# Altium PCB BerndoKeyboard-Switchboard.PcbDoc (part 2 of 3)
Units mm, origin at the board's own origin, x right, y up, seen from the top; angles counter-clockwise.
Board outline 470 x 135 mm, 2 copper layers (Top Layer, Bottom Layer), stack 1.581 mm thick; 355 components, 212 nets, 1814 pads, 203 vias.
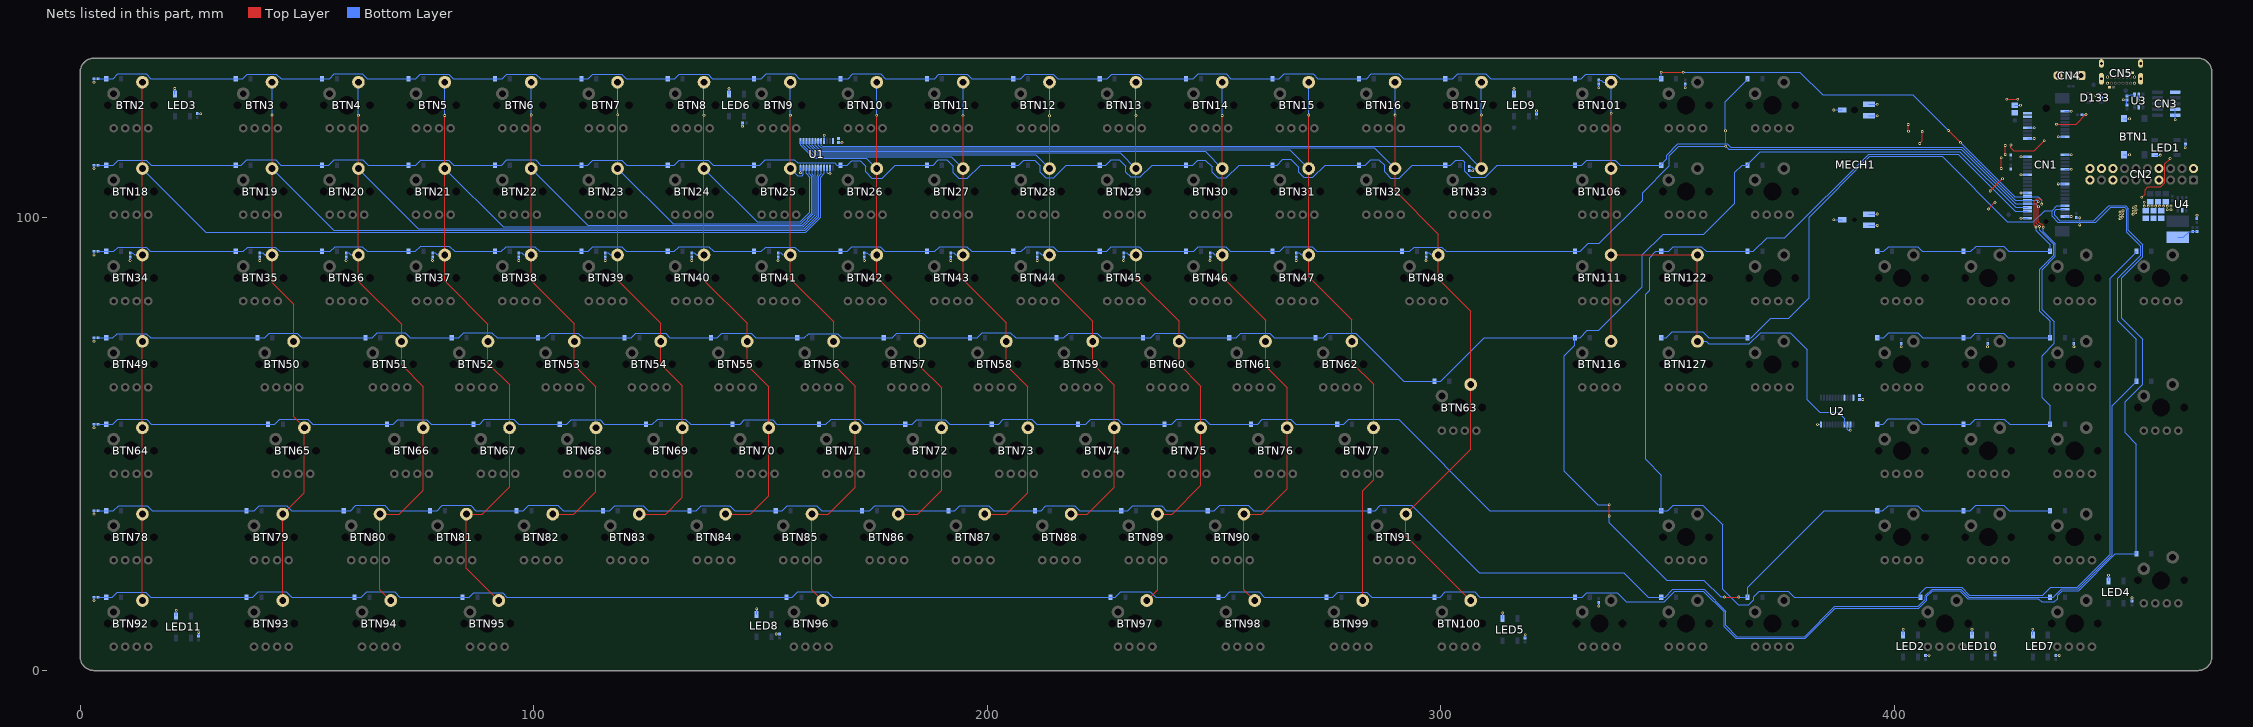
[diagram p2: the nets of this part, all layers, seen from the top]

## Part data
BTN1: "BTN TACT SPST-NO 12V 50mA SMD BLACK", Color=Black, Current Rating=50mA, Internal Part Number=BTN000006, Manufacturer="ITT C&K", Max Operating Temperature=60°C, Max Voltage Rating (DC)=12V, Min Operating Temperature=-20°C, Operating Force=1.27N, Package Quantity=1000, Supplier Part Number 1=CKN9088CT-ND, Actuator Material=Nylon,Polyamide, Actuator Type=Standard, ComponentLink1Description=https://datasheet.ciiva.com/26927/getdatasheetpartid-760859-26927133.pdf?src-supplier=Verical, ComponentLink1URL=https://datasheet.ciiva.com/26927/getdatasheetpartid-760859-26927133.pdf?src-supplier=Verical, ComponentLink2Description=https://datasheet.ciiva.com/14920/pts645-14920742.pdf?src-supplier=Digi-Key, ComponentLink2URL=https://datasheet.ciiva.com/14920/pts645-14920742.pdf?src-supplier=Digi-Key, ComponentLink3Description=https://datasheet.ciiva.com/14920/pts645-14920743.pdf?src-supplier=Digi-Key, ComponentLink3URL=https://datasheet.ciiva.com/14920/pts645-14920743.pdf?src-supplier=Digi-Key, ComponentLink4Description=https://datasheet.ciiva.com/14920/pts645-14920744.pdf?src-supplier=Digi-Key, ComponentLink4URL=https://datasheet.ciiva.com/14920/pts645-14920744.pdf?src-supplier=Digi-Key, ComponentLink5Description=https://datasheet.ciiva.com/46429/1839862-46429337.pdf?src-supplier=Element14, ComponentLink5URL=https://datasheet.ciiva.com/46429/1839862-46429337.pdf?src-supplier=Element14, ComponentLink6Description=https://datasheet.ciiva.com/46429/1839862-46429338.pdf?src-supplier=Element14, ComponentLink6URL=https://datasheet.ciiva.com/46429/1839862-46429338.pdf?src-supplier=Element14, Contact Material=Bronze, Contact Plating=Silver, Depth=9mm, Illumination Type=Non-Illuminated, Lead Free="Lead Free", Length=6mm, Manufacturer Part Number=PTS645SL50SMTR92LFS, Max Current Rating=50mA, Mechanical Life=100000Cycles, Mount="Surface Mount", Orientation=Straight, Packaging="Tape and Reel", Pricing 1="1 = 0,31000, 10 = 0,30000, 25 = 0,29000, 50 = 0,27960, 100 = 0,26410, 250 = 0,24860, 500 = 0,23822 (USD)", REACH SVHC="No SVHC", RoHS=Yes, Stock 1=127172, Supplier 1=Digi-Key, Switch Function=Off-Mom, Termination="Gull Wing", Throw Configuration=SPST, Voltage Rating (DC)=12V
BTN2 BTN3 BTN4 BTN5 BTN6 BTN7 BTN8 BTN9 BTN10 BTN11 BTN12 BTN13 BTN14 BTN15 BTN16 BTN17 BTN18 BTN19 BTN20 BTN21 BTN22 BTN23 BTN24 BTN25 BTN26 BTN27 BTN28 BTN29 BTN30 BTN31 BTN32 BTN33 BTN34 BTN35 BTN36 BTN37 BTN38 BTN39 BTN40 BTN41 BTN42 BTN43 BTN44 BTN45 BTN46 BTN47 BTN48 BTN49 BTN50 BTN51 BTN52 BTN53 BTN54 BTN55 BTN56 BTN57 BTN58 BTN59 BTN60 BTN61 BTN62 BTN63 BTN64 BTN65 BTN66 BTN67 BTN68 BTN69 BTN70 BTN71 BTN72 BTN73 BTN74 BTN75 BTN76 BTN77 BTN78 BTN79 BTN80 BTN81 BTN82 BTN83 BTN84 BTN85 BTN86 BTN87 BTN88 BTN89 BTN90 BTN91 BTN92 BTN93 BTN94 BTN95 BTN96 BTN97 BTN98 BTN99 BTN100 BTN101 BTN102 BTN103 BTN104 BTN105 BTN106 BTN107 BTN108 BTN109 BTN110 BTN111 BTN112 BTN113 BTN114 BTN115 BTN116 BTN117 BTN118 BTN119 BTN120 BTN121 BTN122 BTN123 BTN124 BTN125 BTN126 BTN127 BTN128 BTN129 BTN130 BTN131 BTN132 BTN133: "BTN CHERRY MX BLUE SPST-NO 12V 10mA", Contact Current Rating=10mA, Contact Resistance=200mR, Flammability Rating="UL94 HB", Internal Part Number=BTN000004, Manufacturer=Cherry, Max Operating Temperature=70°C, Max Voltage Rating (AC)=12V, Min Operating Temperature=-10°C, Operating Force=0.5N, Package Quantity=1000, Supplier Part Number 1=CH197-ND, Actuator Length=3.6mm, ComponentLink1Description=https://datasheet.ciiva.com/2869/mx20series-2869568.pdf?src-supplier=Digi-Key, ComponentLink1URL=https://datasheet.ciiva.com/2869/mx20series-2869568.pdf?src-supplier=Digi-Key, ComponentLink2Description=https://datasheet.ciiva.com/5259/mx-cat-216303-5259204.pdf?src-supplier=Mouser, ComponentLink2URL=https://datasheet.ciiva.com/5259/mx-cat-216303-5259204.pdf?src-supplier=Mouser, Contact Material=Gold,Silver, Contact Plating=Gold, Current Rating=10mA, Electrical Life=20000000Cycles, Housing Material=Thermoplastic, Lead Free="Lead Free", Length=15.6mm, Manufacturer Part Number=MX1A-E1NW, Max Current Rating=10mA, Max Voltage Rating (DC)=12V, Mechanical Life=20000000Cycles, Mount="Through Hole", Number of Terminals=2, Orientation=Straight, Packaging=Bulk, Pricing 1="1 = 0,90000, 10 = 0,84000, 25 = 0,80000, 50 = 0,76000, 100 = 0,74000, 250 = 0,72000, 500 = 0,68000, 1000 = 0,64000, 5000 = 0,54000 (USD)", RoHS=Yes, Row Spacing=2.54mm, Stock 1=3965, Supplier 1=Digi-Key, Switch Function=Off-Mom, Terminal Pitch=6.35mm, Termination="PC Pin", Throw Configuration=SPST, Voltage Rating (AC)=12V, Voltage Rating (DC)=12V, Width=15.6mm
  BTN2: Key Function=M1
  BTN3: Key Function=ESC
  BTN4: Key Function=F1
  BTN5: Key Function=F2
  BTN6: Key Function=F3
  BTN7: Key Function=F4
  BTN8: Key Function=F5
  BTN9: Key Function=F6
  BTN10: Key Function=F7
  BTN11: Key Function=F8
  BTN12: Key Function=F9
  BTN13: Key Function=F10
  BTN14: Key Function=F11
  BTN15: Key Function=F12
  BTN16: Key Function=F13
  BTN17: Key Function=F14
  BTN18: Key Function=M2
  BTN20: Key Function="\""
  BTN21: Key Function=EQLS
  BTN22: Key Function=!
  BTN23: Key Function=|
  BTN24: Key Function=&
  BTN25: Key Function=[
  BTN26: Key Function={
  BTN27: Key Function=(
  BTN28: Key Function=)
  BTN29: Key Function=}
  BTN30: Key Function=]
  BTN31: Key Function=?
  BTN32: Key Function=<
  BTN33: Key Function=>
  BTN34: Key Function=M3
  BTN35: Key Function=°
  BTN36: Key Function=1
  BTN37: Key Function=2
  BTN38: Key Function=3
  BTN39: Key Function=4
  BTN40: Key Function=5
  BTN41: Key Function=6
  BTN42: Key Function=7
  BTN43: Key Function=8
  BTN44: Key Function=9
  BTN45: Key Function=0
  BTN46: Key Function=ß
  BTN47: Key Function=´`
  BTN48: Key Function=BCKSP
  BTN49: Key Function=M4
  BTN50: Key Function=TAB
  BTN51: Key Function=Q
  BTN52: Key Function=W
  BTN53: Key Function=E
  BTN54: Key Function=R
  BTN55: Key Function=T
  BTN56: Key Function=Z
  BTN57: Key Function=U
  BTN58: Key Function=I
  BTN59: Key Function=O
  BTN60: Key Function=P
  BTN61: Key Function=Ü
  BTN62: Key Function=+
  BTN63: Key Function=ENTER
  BTN64: Key Function=M5
  BTN65: Key Function=CAPS
  BTN66: Key Function=A
  BTN67: Key Function=S
  BTN68: Key Function=D
  BTN69: Key Function=F
  BTN70: Key Function=G
  BTN71: Key Function=H
  BTN72: Key Function=J
  BTN73: Key Function=K
  BTN74: Key Function=L
  BTN75: Key Function=Ö
  BTN76: Key Function=Ä
  BTN77: Key Function=#
  BTN78: Key Function=M6
  BTN79: Key Function=LSHFT
  BTN80: Key Function=<>|
  BTN81: Key Function=Y
  BTN82: Key Function=X
  BTN83: Key Function=C
  BTN84: Key Function=V
  BTN85: Key Function=B
  BTN86: Key Function=N
  BTN87: Key Function=M
  BTN88: Key Function=,
  BTN89: Key Function=.
  BTN90: Key Function=-
  BTN91: Key Function=RSHFT
  BTN92: Key Function=M7
  BTN93: Key Function=LCTRL
  BTN94: Key Function=LWIN
  BTN95: Key Function=ALT
  BTN96: Key Function=SPACE
  BTN97: Key Function=ALTGR
  BTN98: Key Function=RWIN
  BTN99: Key Function=FN
  BTN100: Key Function=RCTRL
  BTN101: Key Function=PRNTS
  BTN102: Key Function=SCRL
  BTN103: Key Function=NUML
  BTN104: Key Function=NUMDV
  BTN105: Key Function=NUMMP
  BTN106: Key Function=UNDO
  BTN107: Key Function=VOLUP
  BTN108: Key Function=NUM7
  BTN109: Key Function=NUM8
  BTN110: Key Function=NUM9
  BTN111: Key Function=INS
  BTN112: Key Function=PAUSE
  BTN113: Key Function=NUM4
  BTN114: Key Function=NUM5
  BTN115: Key Function=NUM6
  BTN116: Key Function=DEL
  BTN117: Key Function=VOLDN
  BTN118: Key Function=ARR-R
  BTN119: Key Function=NUM1
  BTN120: Key Function=NUM2
  BTN121: Key Function=NUM3
  BTN122: Key Function=HOME
  BTN123: Key Function=PGUP
  BTN124: Key Function=ARR-U
  BTN125: Key Function=NUM0
  BTN126: Key Function=NUMSU
  BTN127: Key Function=END
  BTN128: Key Function=PGDN
  BTN129: Key Function=ARR-D
  BTN130: Key Function=NUMDL
  BTN131: Key Function=NUMAD
  BTN132: Key Function=ARR-L
  BTN133: Key Function=NUMEN
C1 C17 C18 C19 C21 C22 C23: library part CL21A106KPFNNNG, "CAP CER 10U 10V X5R 10% SMD 0805 85C SAMSUNG", Capacitance=10uF, Case/Package=0805, Case Code (Metric)=2012, Dielectric=X5R, Internal Part Number=CCER000039, Manufacturer 1=Samsung, Max Operating Temperature=85°C, Min Operating Temperature=-55°C, Package Quantity=3000, Supplier Part Number 1=1276-6456-1-ND, Tolerance=10%, Voltage=10V, Case Code (Imperial)=0805, ComponentLink1Description=https://datasheet.ciiva.com/16428/cl21a106kpfnnng-16428896.pdf?src-supplier=Future+Electronics, ComponentLink1URL=https://datasheet.ciiva.com/16428/cl21a106kpfnnng-16428896.pdf?src-supplier=Future+Electronics, ComponentLink2Description=https://datasheet.ciiva.com/26936/getdatasheetpartid-640497-26936900.pdf?src-supplier=Verical, ComponentLink2URL=https://datasheet.ciiva.com/26936/getdatasheetpartid-640497-26936900.pdf?src-supplier=Verical, Depth=1.25mm, Height=1.25mm, Lead Free="Lead Free", Length=2mm, Manufacturer Part Number 1=CL21A106KPFNNNG, Mount="Surface Mount", Packaging="Tape and Reel", Pricing 1="1=0,14000, 10=0,10000, 100=0,04690, 500=0,03290, 1000=0,02724 (USD)", Radiation Hardening=No, RoHS=Yes, Stock 1=884042, Supplier 1=Digi-Key, Termination=Wraparound, Thickness=0.053inch, Voltage Rating=10V, Width=0.049inch
C2 C3 C4 C5 C6 C7 C8 C9 C10 C11 C12 C13 C14 C15 C16: library part CL05B104KO5NNNC, "CAP CER 100N 16V X7R 10% SMD 0402 125C SAMSUNG", Capacitance=100nF, Case/Package=0402, Case Code (Metric)=1005, Dielectric=X7R, Internal Part Number=CCER000002, Manufacturer 1=Samsung, Max Operating Temperature=125°C, Min Operating Temperature=-55°C, Package Quantity=1, Supplier Part Number 1=1276-1001-6-ND, Tolerance=10%, Voltage=16V, Case Code (Imperial)=0402, ComponentLink1Description=https://datasheet.ciiva.com/26920/getdatasheetpartid-359683-26920169.pdf?src-supplier=Verical, ComponentLink1URL=https://datasheet.ciiva.com/26920/getdatasheetpartid-359683-26920169.pdf?src-supplier=Verical, ComponentLink2Description=https://datasheet.ciiva.com/29198/458718-da-01-en-vs-kondensator-0402-29198423.pdf?src-supplier=Conrad, ComponentLink2URL=https://datasheet.ciiva.com/29198/458718-da-01-en-vs-kondensator-0402-29198423.pdf?src-supplier=Conrad, ComponentLink3Description=https://datasheet.ciiva.com/16208/cl05b104kq5nnnc-16208343.pdf?src-supplier=Future+Electronics, ComponentLink3URL=https://datasheet.ciiva.com/16208/cl05b104kq5nnnc-16208343.pdf?src-supplier=Future+Electronics, ComponentLink4Description=https://datasheet.ciiva.com/26309/mlcc-catalogdownload2013-eng-26309003.pdf?src-supplier=Distrelec, ComponentLink4URL=https://datasheet.ciiva.com/26309/mlcc-catalogdownload2013-eng-26309003.pdf?src-supplier=Distrelec, Contact Plating=Tin, Depth=0.5mm, Height=0.5mm, Lead Free="Lead Free", Length=1mm, Manufacturer Part Number 1=CL05B104KO5NNNC, Material=Ceramic, Mount="Surface Mount", Packaging="Tape and Reel", Pricing 1="1=0,10000, 10=0,02400, 100=0,01070, 500=0,00766, 1000=0,00602, 2500=0,00548, 5000=0,00504 (USD)", Radiation Hardening=No, RoHS=Yes, Stock 1=53930414, Supplier 1=Digi-Key, Thickness=0.022inch, Voltage Rating=16V, Voltage Rating (DC)=16V, Width=0.02inch
C20: library part CL05C220JB5NNNC, "CAP CER 22P 50V C0G 5% SMD 0402 125C SAMSUNG", Capacitance=22pF, Case/Package=0402, Case Code (Metric)=1005, Dielectric=C0G, Internal Part Number=CCER000013, Manufacturer=Samsung, Max Operating Temperature=125°C, Min Operating Temperature=-55°C, Package Quantity=1, Supplier Part Number 1=1276-1116-1-ND, Temperature Coefficient=300ppm/°C, Tolerance=5%, Voltage=50V, Case Code (Imperial)=0402, ComponentLink1Description=https://datasheet.ciiva.com/15195/getdatasheetpartid-358448-15195679.pdf?src-supplier=Verical, ComponentLink1URL=https://datasheet.ciiva.com/15195/getdatasheetpartid-358448-15195679.pdf?src-supplier=Verical, ComponentLink2Description=https://datasheet.ciiva.com/29198/458663-da-01-en-vs-kondensator-0402-29198414.pdf?src-supplier=Conrad, ComponentLink2URL=https://datasheet.ciiva.com/29198/458663-da-01-en-vs-kondensator-0402-29198414.pdf?src-supplier=Conrad, ComponentLink3Description=https://datasheet.ciiva.com/16199/cl05b104kq5nnnc-16199080.pdf?src-supplier=Future+Electronics, ComponentLink3URL=https://datasheet.ciiva.com/16199/cl05b104kq5nnnc-16199080.pdf?src-supplier=Future+Electronics, ComponentLink4Description=https://datasheet.ciiva.com/26309/mlcc-catalogdownload2013-eng-26309032.pdf?src-supplier=Distrelec, ComponentLink4URL=https://datasheet.ciiva.com/26309/mlcc-catalogdownload2013-eng-26309032.pdf?src-supplier=Distrelec, Contact Plating=Tin, Depth=0.5mm, Height=0.5mm, Length=1mm, Manufacturer Part Number=CL05C220JB5NNNC, Material=Ceramic, Mount="Surface Mount", Packaging="Tape and Reel", Pricing 1="1 = 0,10000, 10 = 0,03300, 100 = 0,01480, 500 = 0,01058, 1000 = 0,00831, 2500 = 0,00755, 5000 = 0,00695 (USD)", Radiation Hardening=No, RoHS=Yes, Stock 1=1663917, Supplier 1=Digi-Key, Thickness=0.022inch, Voltage Rating=50V, Width=0.02inch
CN1: "CON MINI PCIE CARD EDGE 52POS SMD", Flammability Rating="UL94 V-0", High Temperature Housing=Yes, Housing Color=Black, Internal Part Number=CON000010, Manufacturer 1="TE Connectivity AMP", Package Quantity=500, Supplier Part Number 1=A123340CT-ND, ComponentLink1Description=https://datasheet.ciiva.com/16468/eng-ds-8-1773459-7-express-mini-card-qrg-1011-16468375.pdf?src-supplier=Avnet+Asia, ComponentLink1URL=https://datasheet.ciiva.com/16468/eng-ds-8-1773459-7-express-mini-card-qrg-1011-16468375.pdf?src-supplier=Avnet+Asia, ComponentLink2Description=https://datasheet.ciiva.com/48777/eng-ds-8-1773459-7-express-mini-card-qrg-1011-48777258.pdf?src-supplier=Onlinecomponents.com, ComponentLink2URL=https://datasheet.ciiva.com/48777/eng-ds-8-1773459-7-express-mini-card-qrg-1011-48777258.pdf?src-supplier=Onlinecomponents.com, ComponentLink3Description=https://datasheet.ciiva.com/10924/eng-ds-8-1773459-7-express-mini-card-qrg-1011-10924539.pdf?src-supplier=Avnet, ComponentLink3URL=https://datasheet.ciiva.com/10924/eng-ds-8-1773459-7-express-mini-card-qrg-1011-10924539.pdf?src-supplier=Avnet, Connector Type=Receptacle, Contact Material="Copper Alloy", Contact Plating=Gold, ELV=Compliant, Housing Material=Thermoplastic, Lead Free="Lead Free", Manufacturer Part Number 1=1775838-2, Mount="Surface Mount", Number of Positions=52, Number of Rows=2, Orientation="Right Angle", Packaging="Tape and Reel", PCB Mounting Orientation=Vertical, PCB Mount Retention=Without, Pitch=0.8mm, Pricing 1="1=0,76000, 10=0,67100, 25=0,63160, 50=0,60520, 100=0,57880, 250=0,52620 (USD)", RoHS=Yes, Row Spacing=0.031inch, Stackable=No, Stack Height=5.6mm, Stock 1=12692, Supplier 1=Digi-Key, Termination=Solder
CN2: "CON PINHDR 2.54MM 2x10", Color=Black, Internal Part Number=CON000027, Manufacturer=Sullins, Package Quantity=1, Supplier Part Number 1=S2011EC-10-ND, ComponentLink1Description=https://datasheet.ciiva.com/741/xrxczzzdxxn-rc-11636-b-741275.pdf?src-supplier=Digi-Key, ComponentLink1URL=https://datasheet.ciiva.com/741/xrxczzzdxxn-rc-11636-b-741275.pdf?src-supplier=Digi-Key, Connector Type="Male Pin", Contact Mating Length=0.23inch, Contact Plating=Gold, Manufacturer Part Number=PRPC010DAAN-RC, Mount="Through Hole", Number of Positions=20, Number of Rows=2, Packaging=Bulk, Pitch=0.1inch, Pricing 1="1 = 0,50000, 10 = 0,46400, 25 = 0,41800, 50 = 0,37160, 100 = 0,35600, 250 = 0,32508, 500 = 0,30960 (USD)", RoHS=Yes, Row Spacing=0.1inch, Stock 1=2248, Supplier 1=Digi-Key, Termination=Solder
CN3: "CON PINHDR SMD 1.27MM SHIELDED KEYED CNC TECH 10POS", Internal Part Number=CON000024, Manufacturer 1="CNC Tech", Package Quantity=3200, Supplier Part Number 1=1175-1629-ND, ComponentLink1Description=https://datasheet.ciiva.com/18655/3220-xx-0300-00-18655365.pdf?src-supplier=Digi-Key, ComponentLink1URL=https://datasheet.ciiva.com/18655/3220-xx-0300-00-18655365.pdf?src-supplier=Digi-Key, Connector Type="Male Pin", Contact Plating=Gold, Manufacturer Part Number 1=3220-10-0300-00, Mount="Surface Mount", Number of Positions=10, Number of Rows=2, Packaging=Tray, Pitch=0.05inch, Pricing 1="1=0,74000, 10=0,69000, 100=0,52900, 500=0,46000, 3200=0,34500, 6400=0,33350, 12800=0,30590 (USD)", RoHS=Yes, Row Spacing=0.05inch, Stock 1=107713, Supplier 1=Digi-Key, Termination=Solder
CN4: "CON PINHDR 2.54MM 1x03", Color=Black, Internal Part Number=CON000025, Manufacturer=Sullins, Package Quantity=1, Supplier Part Number 1=S1011EC-03-ND, ComponentLink1Description=https://datasheet.ciiva.com/741/xrxczzzsxxn-rc-st-11635-b-741242.pdf?src-supplier=Digi-Key, ComponentLink1URL=https://datasheet.ciiva.com/741/xrxczzzsxxn-rc-st-11635-b-741242.pdf?src-supplier=Digi-Key, Connector Type="Male Pin", Contact Mating Length=0.23inch, Contact Plating=Gold, Manufacturer Part Number=PRPC003SAAN-RC, Mount="Through Hole", Number of Positions=3, Number of Rows=1, Packaging=Bulk, Pitch=0.1inch, Pricing 1="1 = 0,12000, 10 = 0,10900, 25 = 0,08120, 50 = 0,06960, 100 = 0,06730, 250 = 0,05804, 500 = 0,05572 (USD)", RoHS=Yes, Stock 1=16923, Supplier 1=Digi-Key, Termination=Solder
CN5: "CON USB TYPE C THROUGH HOLE 16POS", Internal Part Number=CON000028, Manufacturer="Global Connector Technology", Supplier Part Number 1=2073-USB4085-GF-ACT-ND, ComponentLink1Description=https://datasheet.ciiva.com/71788/2674755-71788146.pdf?src-supplier=Element14, ComponentLink1URL=https://datasheet.ciiva.com/71788/2674755-71788146.pdf?src-supplier=Element14, ComponentLink2Description=https://datasheet.ciiva.com/71788/usb4085-71788147.pdf?src-supplier=Digi-Key, ComponentLink2URL=https://datasheet.ciiva.com/71788/usb4085-71788147.pdf?src-supplier=Digi-Key, Contact Material="Copper Alloy", Contact Plating=Gold, Gender=Receptacle, Manufacturer Part Number=USB4085-GF-A, Number of Positions=16, Orientation="Right Angle", RoHS=No, Stock 1=0, Supplier 1=Digi-Key, USB Standard="USB 2.0"
D1 D2 D3 D4 D5 D6 D7 D8 D9 D10 D11 D12 D13 D14 D15 D16 D17 D18 D19 D20 D21 D22 D23 D24 D25 D26 D27 D28 D29 D30 D31 D32 D33 D34 D35 D36 D37 D38 D39 D40 D41 D42 D43 D44 D45 D46 D47 D48 D49 D50 D51 D52 D53 D54 D55 D56 D57 D58 D59 D60 D61 D62 D63 D64 D65 D66 D67 D68 D69 D70 D71 D72 D73 D74 D75 D76 D77 D78 D79 D80 D81 D82 D83 D84 D85 D86 D87 D88 D89 D90 D91 D92 D93 D94 D95 D96 D97 D98 D99 D100 D101 D102 D103 D104 D105 D106 D107 D108 D109 D110 D111 D112 D113 D114 D115 D116 D117 D118 D119 D120 D121 D122 D123 D124 D125 D126 D127 D128 D129 D130 D131 D132: "DIODE GEN-PURP 100V 150mA 1V25@150mA SMD SOD-23", Average Rectified Current=150mA, Capacitance=4pF, Forward Voltage=1V, Internal Part Number=D000002, Manufacturer=MCC, Max Forward Surge Current (Ifsm)=1A, Max Operating Temperature=150°C, Max Repetitive Reverse Voltage (Vrrm)=100V, Max Reverse Leakage Current=5uA, Max Surge Current=2A, Min Operating Temperature=-65°C, Package Quantity=3000, Power Dissipation=400mW, Supplier Part Number 1=1N4148WTPMSCT-ND, ComponentLink1Description=https://datasheet.ciiva.com/1243/1684829-1243908.pdf?src-supplier=Newark, ComponentLink1URL=https://datasheet.ciiva.com/1243/1684829-1243908.pdf?src-supplier=Newark, ComponentLink2Description=https://datasheet.ciiva.com/16836/1n4148wsod123-16836277.pdf?src-supplier=Future+Electronics, ComponentLink2URL=https://datasheet.ciiva.com/16836/1n4148wsod123-16836277.pdf?src-supplier=Future+Electronics, ComponentLink3Description=https://datasheet.ciiva.com/4435/1n4148wsod123-48460-4435223.pdf?src-supplier=Mouser, ComponentLink3URL=https://datasheet.ciiva.com/4435/1n4148wsod123-48460-4435223.pdf?src-supplier=Mouser, ComponentLink4Description=https://datasheet.ciiva.com/14557/70055519-14557767.pdf?src-supplier=Allied+Electronics, ComponentLink4URL=https://datasheet.ciiva.com/14557/70055519-14557767.pdf?src-supplier=Allied+Electronics, ComponentLink5Description=https://datasheet.ciiva.com/911/1n4148wsod123-911676.pdf?src-supplier=Digi-Key, ComponentLink5URL=https://datasheet.ciiva.com/911/1n4148wsod123-911676.pdf?src-supplier=Digi-Key, ComponentLink6Description=https://datasheet.ciiva.com/7622/1684829-7622556.pdf?src-supplier=Element14, ComponentLink6URL=https://datasheet.ciiva.com/7622/1684829-7622556.pdf?src-supplier=Element14, ComponentLink7Description=https://datasheet.ciiva.com/911/1n4148wsod123-911677.pdf?src-supplier=Digi-Key, ComponentLink7URL=https://datasheet.ciiva.com/911/1n4148wsod123-911677.pdf?src-supplier=Digi-Key, ComponentLink8Description=https://datasheet.ciiva.com/911/1n4148wsod123-911678.pdf?src-supplier=Digi-Key, ComponentLink8URL=https://datasheet.ciiva.com/911/1n4148wsod123-911678.pdf?src-supplier=Digi-Key, ComponentLink9Description=https://datasheet.ciiva.com/22747/1684829-22747439.pdf?src-supplier=Element14, ComponentLink9URL=https://datasheet.ciiva.com/22747/1684829-22747439.pdf?src-supplier=Element14, Current Rating=150mA, Element Configuration=Single, Forward Current=150mA, Height=1.2mm, Lead Free="Lead Free", Length=2.85mm, Manufacturer Part Number=1N4148W-TP, Max Reverse Voltage (DC)=100V, Mount="Surface Mount", Number of Pins=2, Output Current=150mA, Packaging="Tape and Reel", Peak Non-Repetitive Surge Current=2A, Polarity=Standard, Pricing 1="1 = 0,13000, 10 = 0,11900, 100 = 0,06480, 500 = 0,03986, 1000 = 0,02718 (USD)", Radiation Hardening=No, REACH SVHC=Unknown, Recovery Time=4ns, Reverse Recovery Time=4ns, RoHS=Yes, Stock 1=1077433, Supplier 1=Digi-Key, Voltage Rating (DC)=100V, Width=1.8mm
D133: "TVS DIODE 2CH 5.25V 17V USB2.0 SOT23-6L", Breakdown Voltage=6V, Capacitance=3.5pF, Case/Package=SOT-23, Clamping Voltage=17V, Internal Part Number=TVS000004, Leakage Current=150nA, Manufacturer=STMicroelectronics, Max Operating Temperature=125°C, Min Operating Temperature=-40°C, Operating Supply Voltage=1.1V, Package Quantity=3000, Peak Pulse Current=5A, Power Line Protection=Yes, Reverse Standoff Voltage=5.25V, Supplier Part Number 1=497-5235-1-ND, Test Current=1mA, Working Voltage=5V, ComponentLink1Description=https://datasheet.ciiva.com/1268/1690354-1268384.pdf?src-supplier=Element14, ComponentLink1URL=https://datasheet.ciiva.com/1268/1690354-1268384.pdf?src-supplier=Element14, ComponentLink2Description=https://datasheet.ciiva.com/4508/cd00050750-113117-4508433.pdf?src-supplier=Mouser, ComponentLink2URL=https://datasheet.ciiva.com/4508/cd00050750-113117-4508433.pdf?src-supplier=Mouser, ComponentLink3Description=https://datasheet.ciiva.com/26787/usblc6-2sc6-26787908.pdf?src-supplier=IIIC, ComponentLink3URL=https://datasheet.ciiva.com/26787/usblc6-2sc6-26787908.pdf?src-supplier=IIIC, ComponentLink4Description=https://datasheet.ciiva.com/16200/cd00050750-16200026.pdf?src-supplier=Future+Electronics, ComponentLink4URL=https://datasheet.ciiva.com/16200/cd00050750-16200026.pdf?src-supplier=Future+Electronics, Contact Plating=Tin,Matte, Data Rate=480Mbps, Depth=1.75mm, Direction=Unidirectional,Bidirectional, Element Configuration=Dual, ESD Protection=Yes, Height=1.3mm, Lead Free="Lead Free", Length=3.05mm, Manufacturer Part Number=USBLC6-2SC6, Max Breakdown Voltage=6V, Max Reverse Leakage Current=150nA, Min Breakdown Voltage=6V, Mount="Surface Mount", Number of Bidirectional Channels=2, Number of Channels=2, Number of Elements=1, Number of Pins=6, Packaging="Tape and Reel", Polarity=Unidirectional,Bidirectional, Pricing 1="1 = 0,47000, 10 = 0,39900, 100 = 0,29820, 500 = 0,23430, 1000 = 0,18105 (USD)", Radiation Hardening=No, REACH SVHC="No SVHC", Reverse Breakdown Voltage=6V, RoHS=Yes, Stock 1=30680, Supplier 1=Digi-Key, Termination=SMD/SMT, Width=1.75mm
L1: "IND 2U2 2A5 28mR 30% SMD FERRITE WURTH", Case/Package=1919, Case Code (Metric)=4848, Current Rating=2.5A, DC Resistance (DCR)=28mR, Inductance=2.2uH, Inductance Tolerance=30%, Internal Part Number=L000009, Manufacturer="Wurth Electronics", Max Operating Temperature=125°C, Min Operating Temperature=-40°C, Package Quantity=500, Saturation Current="2.35A (sat)", Self Resonant Frequency=100MHz, Supplier Part Number 1=732-1095-1-ND, Test Frequency=100kHz, Case Code (Imperial)=1919, ComponentLink1Description=https://datasheet.ciiva.com/11803/0900766b80febc3e-11803289.pdf?src-supplier=RSComponents, ComponentLink1URL=https://datasheet.ciiva.com/11803/0900766b80febc3e-11803289.pdf?src-supplier=RSComponents, ComponentLink2Description=https://datasheet.ciiva.com/7754/1735426-7754427.pdf?src-supplier=Element14, ComponentLink2URL=https://datasheet.ciiva.com/7754/1735426-7754427.pdf?src-supplier=Element14, ComponentLink3Description=https://datasheet.ciiva.com/13277/7440430022-66848-13277005.pdf?src-supplier=Mouser, ComponentLink3URL=https://datasheet.ciiva.com/13277/7440430022-66848-13277005.pdf?src-supplier=Mouser, ComponentLink4Description=https://datasheet.ciiva.com/1075/7440430022-1075984.pdf?src-supplier=Digi-Key, ComponentLink4URL=https://datasheet.ciiva.com/1075/7440430022-1075984.pdf?src-supplier=Digi-Key, ComponentLink5Description=https://datasheet.ciiva.com/23782/1645803-23782392.pdf?src-supplier=Newark, ComponentLink5URL=https://datasheet.ciiva.com/23782/1645803-23782392.pdf?src-supplier=Newark, ComponentLink6Description=https://datasheet.ciiva.com/1075/7440430022-1075985.pdf?src-supplier=Digi-Key, ComponentLink6URL=https://datasheet.ciiva.com/1075/7440430022-1075985.pdf?src-supplier=Digi-Key, ComponentLink7Description=https://datasheet.ciiva.com/1075/7440430022-1075986.pdf?src-supplier=Digi-Key, ComponentLink7URL=https://datasheet.ciiva.com/1075/7440430022-1075986.pdf?src-supplier=Digi-Key, ComponentLink8Description=https://datasheet.ciiva.com/48690/001087187-da-01-ml-we-tpc-smd-speicherdrossel-7440430-de-en-48690886.pdf?src-supplier=Conrad, ComponentLink8URL=https://datasheet.ciiva.com/48690/001087187-da-01-ml-we-tpc-smd-speicherdrossel-7440430-de-en-48690886.pdf?src-supplier=Conrad, Composition=Wirewound, Core Material=Ferrite, Depth=4.8mm, Height=2.8mm, Height - Seated (Max)=0.118inch, Lead Free="Lead Free", Length=4.8mm, Manufacturer Part Number=7440430022, Max DC Current=2.5A, Mount="Surface Mount", Packaging="Tape and Reel", Pricing 1="1 = 1,43000, 10 = 1,38900, 50 = 1,31900, 100 = 1,21500, 250 = 1,14600 (USD)", REACH SVHC=Unknown, RMS Current (Irms)=2.5A, RoHS=Yes, Series Resistance=28mR, Shielding=Shielded, Stock 1=3943, Supplier 1=Digi-Key, Termination=SMD/SMT, Tolerance=30%, Weight=0.009065oz, Width=4.8mm
LED1 LED2 LED3 LED4 LED5 LED6 LED7 LED8 LED9 LED10 LED11: "LED RGB-ADDRESSABLE SERIAL 5050", Internal Part Number=LED000007
MECH1: "CARD LATCH MINI PCIE 3.05mm HEIGHT", Case/Package=SMD/SMT, Contact Resistance=55mR, Current Rating=500mA, Flammability Rating="UL94 V-0", Internal Part Number=MISC000005, Manufacturer="JAE Electronics", Max Operating Temperature=80°C, Min Operating Temperature=-40°C, Package Quantity=1, Supplier Part Number 1=670-2277-1-ND, ComponentLink1Description=https://datasheet.ciiva.com/682/sj105221-682461.pdf?src-supplier=Digi-Key, ComponentLink1URL=https://datasheet.ciiva.com/682/sj105221-682461.pdf?src-supplier=Digi-Key, ComponentLink2Description=https://datasheet.ciiva.com/7655/332202-7655815.pdf?src-supplier=Element14, ComponentLink2URL=https://datasheet.ciiva.com/7655/332202-7655815.pdf?src-supplier=Element14, Contact Material="Stainless Steel,Tin", Contact Plating=Tin, Height=5.9mm, Manufacturer Part Number=MM60-EZH059-B5-R650, Mating Cycles=50, Mount=Socket, Packaging="Tape and Reel", Pricing 1="1 = 1,22000, 10 = 1,07500, 25 = 1,01160, 50 = 0,96940, 100 = 0,92720, 250 = 0,84296 (USD)", REACH SVHC=Unknown, RoHS=Yes, Stock 1=14566, Supplier 1=Digi-Key, Termination=Solder
R1 R2 R3 R4 R5 R6 R7 R8 R9 R10 R11 R12 R13 R14 R15 R16 R17 R18 R26 R27 R28 R29 R30 R31 R34 R37: library part RC0402FR-0710KL, "RES 10K 1% 1/16W SMD 0402 YAEGO", Case/Package=0402, Case Code (Metric)=1005, Internal Part Number=R000016, Manufacturer=Yageo, Max Operating Temperature=155°C, Min Operating Temperature=-55°C, Package Quantity=10000, Power Rating=62.5mW, Resistance=10kR, Supplier Part Number 1=311-10.0KLRCT-ND, Temperature Coefficient=100ppm/°C, Tolerance=1%, Voltage Rating=50V, Case Code (Imperial)=0402, ComponentLink1Description=https://datasheet.ciiva.com/7660/38568-7660787.pdf?src-supplier=Element14, ComponentLink1URL=https://datasheet.ciiva.com/7660/38568-7660787.pdf?src-supplier=Element14, ComponentLink2Description=https://datasheet.ciiva.com/7849/1784430-7849813.pdf?src-supplier=Element14, ComponentLink2URL=https://datasheet.ciiva.com/7849/1784430-7849813.pdf?src-supplier=Element14, ComponentLink3Description=https://datasheet.ciiva.com/7849/1686128-7849814.pdf?src-supplier=Element14, ComponentLink3URL=https://datasheet.ciiva.com/7849/1686128-7849814.pdf?src-supplier=Element14, ComponentLink4Description=https://datasheet.ciiva.com/7849/1784430-7849815.pdf?src-supplier=Element14, ComponentLink4URL=https://datasheet.ciiva.com/7849/1784430-7849815.pdf?src-supplier=Element14, ComponentLink5Description=https://datasheet.ciiva.com/22747/1018594-22747512.pdf?src-supplier=Element14, ComponentLink5URL=https://datasheet.ciiva.com/22747/1018594-22747512.pdf?src-supplier=Element14, ComponentLink6Description=https://datasheet.ciiva.com/12667/pyu-rc0402-51-rohs-l-6-r-12667067.pdf?src-supplier=Mouser, ComponentLink6URL=https://datasheet.ciiva.com/12667/pyu-rc0402-51-rohs-l-6-r-12667067.pdf?src-supplier=Mouser, ComponentLink7Description=https://datasheet.ciiva.com/7983/1018594-7983486.pdf?src-supplier=Element14, ComponentLink7URL=https://datasheet.ciiva.com/7983/1018594-7983486.pdf?src-supplier=Element14, ComponentLink8Description=https://datasheet.ciiva.com/11819/0900766b80c66297-11819487.pdf?src-supplier=RSComponents, ComponentLink8URL=https://datasheet.ciiva.com/11819/0900766b80c66297-11819487.pdf?src-supplier=RSComponents, ComponentLink9Description=https://datasheet.ciiva.com/15189/getdatasheetpartid-329253-15189431.pdf?src-supplier=Verical, ComponentLink9URL=https://datasheet.ciiva.com/15189/getdatasheetpartid-329253-15189431.pdf?src-supplier=Verical, ComponentLink10Description=https://datasheet.ciiva.com/24070/pyu-rc0402-51-rohs-l-6-r-8721-24070077.pdf?src-supplier=Mouser, ComponentLink10URL=https://datasheet.ciiva.com/24070/pyu-rc0402-51-rohs-l-6-r-8721-24070077.pdf?src-supplier=Mouser, ComponentLink11Description=https://datasheet.ciiva.com/7849/1018594-7849966.pdf?src-supplier=Element14, ComponentLink11URL=https://datasheet.ciiva.com/7849/1018594-7849966.pdf?src-supplier=Element14, ComponentLink12Description=https://datasheet.ciiva.com/7849/1018594-7849967.pdf?src-supplier=Element14, ComponentLink12URL=https://datasheet.ciiva.com/7849/1018594-7849967.pdf?src-supplier=Element14, ComponentLink13Description=https://datasheet.ciiva.com/17070/pyu-rc0402-51-rohs-l-6-r-17070335.pdf?src-supplier=Future+Electronics, ComponentLink13URL=https://datasheet.ciiva.com/17070/pyu-rc0402-51-rohs-l-6-r-17070335.pdf?src-supplier=Future+Electronics, Composition="Thick Film", Depth=0.5mm, Height=0.32mm, Lead Free="Lead Free", Lead Pitch=0.2mm, Length=1mm, Manufacturer Part Number=RC0402FR-0710KL, Military Standard=Not, Number of Pins=2, Number of Terminations=2, Packaging="Tape and Reel", Pricing 1="1 = 0,10000, 10 = 0,01600, 100 = 0,00670, 1000 = 0,00301, 2500 = 0,00261, 5000 = 0,00215 (USD)", REACH SVHC="No SVHC", RoHS=Yes, Stock 1=86154015, Supplier 1=Digi-Key, Termination=SMD/SMT, Voltage Rating (DC)=50V, Width=0.5mm, Working Voltage=50V
R19 R20 R21 R22 R23 R24 R25 R32 R33: library part RC0402FR-071K5L, "RES 1K5 1% 1/16W SMD 0402 YAEGO", Case/Package=0402, Case Code (Metric)=1005, Internal Part Number=R000006, Manufacturer=Yageo, Max Operating Temperature=155°C, Max Power Dissipation=62.5mW, Min Operating Temperature=-55°C, Package Quantity=1, Resistance=1.5kR, Supplier Part Number 1=311-1.50KLRCT-ND, Temperature Coefficient=100ppm/°C, Tolerance=1%, Voltage Rating=50V, Case Code (Imperial)=0402, ComponentLink1Description=https://datasheet.ciiva.com/11808/0900766b80c66297-11808238.pdf?src-supplier=RSComponents, ComponentLink1URL=https://datasheet.ciiva.com/11808/0900766b80c66297-11808238.pdf?src-supplier=RSComponents, ComponentLink2Description=https://datasheet.ciiva.com/2453/pyu-r-int-thick-7-2453440.pdf?src-supplier=Digi-Key, ComponentLink2URL=https://datasheet.ciiva.com/2453/pyu-r-int-thick-7-2453440.pdf?src-supplier=Digi-Key, ComponentLink3Description=https://datasheet.ciiva.com/2453/pyu-r-int-thick-7-2453441.pdf?src-supplier=Digi-Key, ComponentLink3URL=https://datasheet.ciiva.com/2453/pyu-r-int-thick-7-2453441.pdf?src-supplier=Digi-Key, ComponentLink4Description=https://datasheet.ciiva.com/46394/1018594-46394950.pdf?src-supplier=Element14, ComponentLink4URL=https://datasheet.ciiva.com/46394/1018594-46394950.pdf?src-supplier=Element14, ComponentLink5Description=https://datasheet.ciiva.com/7849/1018594-7849864.pdf?src-supplier=Element14, ComponentLink5URL=https://datasheet.ciiva.com/7849/1018594-7849864.pdf?src-supplier=Element14, ComponentLink6Description=https://datasheet.ciiva.com/15189/getdatasheetpartid-323992-15189370.pdf?src-supplier=Verical, ComponentLink6URL=https://datasheet.ciiva.com/15189/getdatasheetpartid-323992-15189370.pdf?src-supplier=Verical, ComponentLink7Description=https://datasheet.ciiva.com/7849/1018594-7849863.pdf?src-supplier=Element14, ComponentLink7URL=https://datasheet.ciiva.com/7849/1018594-7849863.pdf?src-supplier=Element14, ComponentLink8Description=https://datasheet.ciiva.com/12558/pyu-rc0402-51-rohs-l-6-r-8721-12558542.pdf?src-supplier=Mouser, ComponentLink8URL=https://datasheet.ciiva.com/12558/pyu-rc0402-51-rohs-l-6-r-8721-12558542.pdf?src-supplier=Mouser, ComponentLink9Description=https://datasheet.ciiva.com/2453/pyu-r-int-thick-7-2453439.pdf?src-supplier=Digi-Key, ComponentLink9URL=https://datasheet.ciiva.com/2453/pyu-r-int-thick-7-2453439.pdf?src-supplier=Digi-Key, Composition="Thick Film", Depth=0.5mm, Features="Moisture Resistant", Height=0.016inch, Lead Free="Lead Free", Length=1mm, Manufacturer Part Number=RC0402FR-071K5L, Military Standard=Not, Number of Terminations=2, Packaging="Tape and Reel", Power Rating=62.5mW, Pricing 1="1 = 0,10000, 10 = 0,01600, 100 = 0,00640, 1000 = 0,00286, 2500 = 0,00248, 5000 = 0,00205 (USD)", REACH SVHC="No SVHC", RoHS=Yes, Stock 1=9091318, Supplier 1=Digi-Key, Termination=SMD/SMT, Width=0.02inch
R35 R36: "RES 5K1 1% 1/16W SMD 0402 YAEGO", Case/Package=0402, Case Code (Metric)=1005, Internal Part Number=R000017, Manufacturer=Yageo, Max Operating Temperature=155°C, Max Power Dissipation=62.4mW, Min Operating Temperature=-55°C, Package Quantity=1, Power Rating=63mW, Resistance=5.1kR, Supplier Part Number 1=311-5.10KLRCT-ND, Temperature Coefficient=100ppm/°C, Tolerance=1%, Voltage Rating=50V, Case Code (Imperial)=0402, ComponentLink1Description=https://datasheet.ciiva.com/15189/getdatasheetpartid-323636-15189493.pdf?src-supplier=Verical, ComponentLink1URL=https://datasheet.ciiva.com/15189/getdatasheetpartid-323636-15189493.pdf?src-supplier=Verical, ComponentLink2Description=https://datasheet.ciiva.com/2453/pyu-r-int-thick-7-2453400.pdf?src-supplier=Digi-Key, ComponentLink2URL=https://datasheet.ciiva.com/2453/pyu-r-int-thick-7-2453400.pdf?src-supplier=Digi-Key, ComponentLink3Description=https://datasheet.ciiva.com/46394/1018594-46394936.pdf?src-supplier=Element14, ComponentLink3URL=https://datasheet.ciiva.com/46394/1018594-46394936.pdf?src-supplier=Element14, ComponentLink4Description=https://datasheet.ciiva.com/2453/pyu-r-int-thick-7-2453401.pdf?src-supplier=Digi-Key, ComponentLink4URL=https://datasheet.ciiva.com/2453/pyu-r-int-thick-7-2453401.pdf?src-supplier=Digi-Key, ComponentLink5Description=https://datasheet.ciiva.com/2453/pyu-r-int-thick-7-2453402.pdf?src-supplier=Digi-Key, ComponentLink5URL=https://datasheet.ciiva.com/2453/pyu-r-int-thick-7-2453402.pdf?src-supplier=Digi-Key, ComponentLink6Description=https://datasheet.ciiva.com/16744/pyu-rc0402-51-rohs-l-6-r-16744283.pdf?src-supplier=Future+Electronics, ComponentLink6URL=https://datasheet.ciiva.com/16744/pyu-rc0402-51-rohs-l-6-r-16744283.pdf?src-supplier=Future+Electronics, ComponentLink7Description=https://datasheet.ciiva.com/12558/pyu-rc0402-51-rohs-l-6-r-8721-12558460.pdf?src-supplier=Mouser, ComponentLink7URL=https://datasheet.ciiva.com/12558/pyu-rc0402-51-rohs-l-6-r-8721-12558460.pdf?src-supplier=Mouser, ComponentLink8Description=https://datasheet.ciiva.com/7983/1018594-7983519.pdf?src-supplier=Element14, ComponentLink8URL=https://datasheet.ciiva.com/7983/1018594-7983519.pdf?src-supplier=Element14, Composition="Thick Film", Depth=0.5mm, Features="Moisture Resistant", Height=0.016inch, Lead Free="Lead Free", Length=1mm, Manufacturer Part Number=RC0402FR-075K1L, Military Standard=Not, Number of Terminations=2, Packaging="Tape and Reel", Pricing 1="1 = 0,10000, 10 = 0,01600, 100 = 0,00640, 1000 = 0,00289, 2500 = 0,00251, 5000 = 0,00207 (USD)", REACH SVHC=Unknown, RoHS=Yes, Stock 1=3098997, Supplier 1=Digi-Key, Termination=SMD/SMT, Voltage Rating (DC)=50V, Width=0.02inch, Working Voltage=50V
R38: "RES 270K 1% 1/16W SMD 0402 YAEGO", Case/Package=0402, Case Code (Metric)=1005, Internal Part Number=R000020, Manufacturer=Yageo, Max Operating Temperature=155°C, Max Power Dissipation=62.5mW, Min Operating Temperature=-55°C, Package Quantity=1, Power Rating=63mW, Resistance=270kR, Supplier Part Number 1=311-270KLRCT-ND, Temperature Coefficient=100ppm/°C, Tolerance=1%, Voltage Rating=50V, Case Code (Imperial)=0402, ComponentLink1Description=https://datasheet.ciiva.com/2491/pyu-r-int-thick-7-2491341.pdf?src-supplier=Digi-Key, ComponentLink1URL=https://datasheet.ciiva.com/2491/pyu-r-int-thick-7-2491341.pdf?src-supplier=Digi-Key, ComponentLink2Description=https://datasheet.ciiva.com/15189/getdatasheetpartid-327811-15189397.pdf?src-supplier=Verical, ComponentLink2URL=https://datasheet.ciiva.com/15189/getdatasheetpartid-327811-15189397.pdf?src-supplier=Verical, ComponentLink3Description=https://datasheet.ciiva.com/16772/pyu-rc0402-51-rohs-l-6-r-16772665.pdf?src-supplier=Future+Electronics, ComponentLink3URL=https://datasheet.ciiva.com/16772/pyu-rc0402-51-rohs-l-6-r-16772665.pdf?src-supplier=Future+Electronics, ComponentLink4Description=https://datasheet.ciiva.com/2491/pyu-r-int-thick-7-2491339.pdf?src-supplier=Digi-Key, ComponentLink4URL=https://datasheet.ciiva.com/2491/pyu-r-int-thick-7-2491339.pdf?src-supplier=Digi-Key, ComponentLink5Description=https://datasheet.ciiva.com/2491/pyu-r-int-thick-7-2491340.pdf?src-supplier=Digi-Key, ComponentLink5URL=https://datasheet.ciiva.com/2491/pyu-r-int-thick-7-2491340.pdf?src-supplier=Digi-Key, Composition="Thick Film", Depth=0.5mm, Features="Moisture Resistant", Height=0.016inch, Lead Free="Lead Free", Length=1mm, Manufacturer Part Number=RC0402FR-07270KL, Military Standard=Not, Number of Terminations=2, Packaging="Tape and Reel", Pricing 1="1 = 0,10000, 10 = 0,01600, 100 = 0,00640, 1000 = 0,00289, 2500 = 0,00251, 5000 = 0,00207 (USD)", REACH SVHC=Unknown, RoHS=Yes, Stock 1=339624, Supplier 1=Digi-Key, Termination=SMD/SMT, Weight=2.3E-05oz, Width=0.5mm